# Altium PCB OpenPLCv0.2.0.PcbDoc (part 2 of 6)
Units mm, origin at the board's own origin, x right, y up, seen from the top; angles counter-clockwise.
Board outline 180 x 120 mm, 4 copper layers (Top Copper, Int1 Copper (GND), Int2 Copper (GND), Bottom Copper), stack 1.57 mm thick; 541 components, 405 nets, 1586 pads, 1395 vias.
Unrouted connection lines stored in the file: 4.
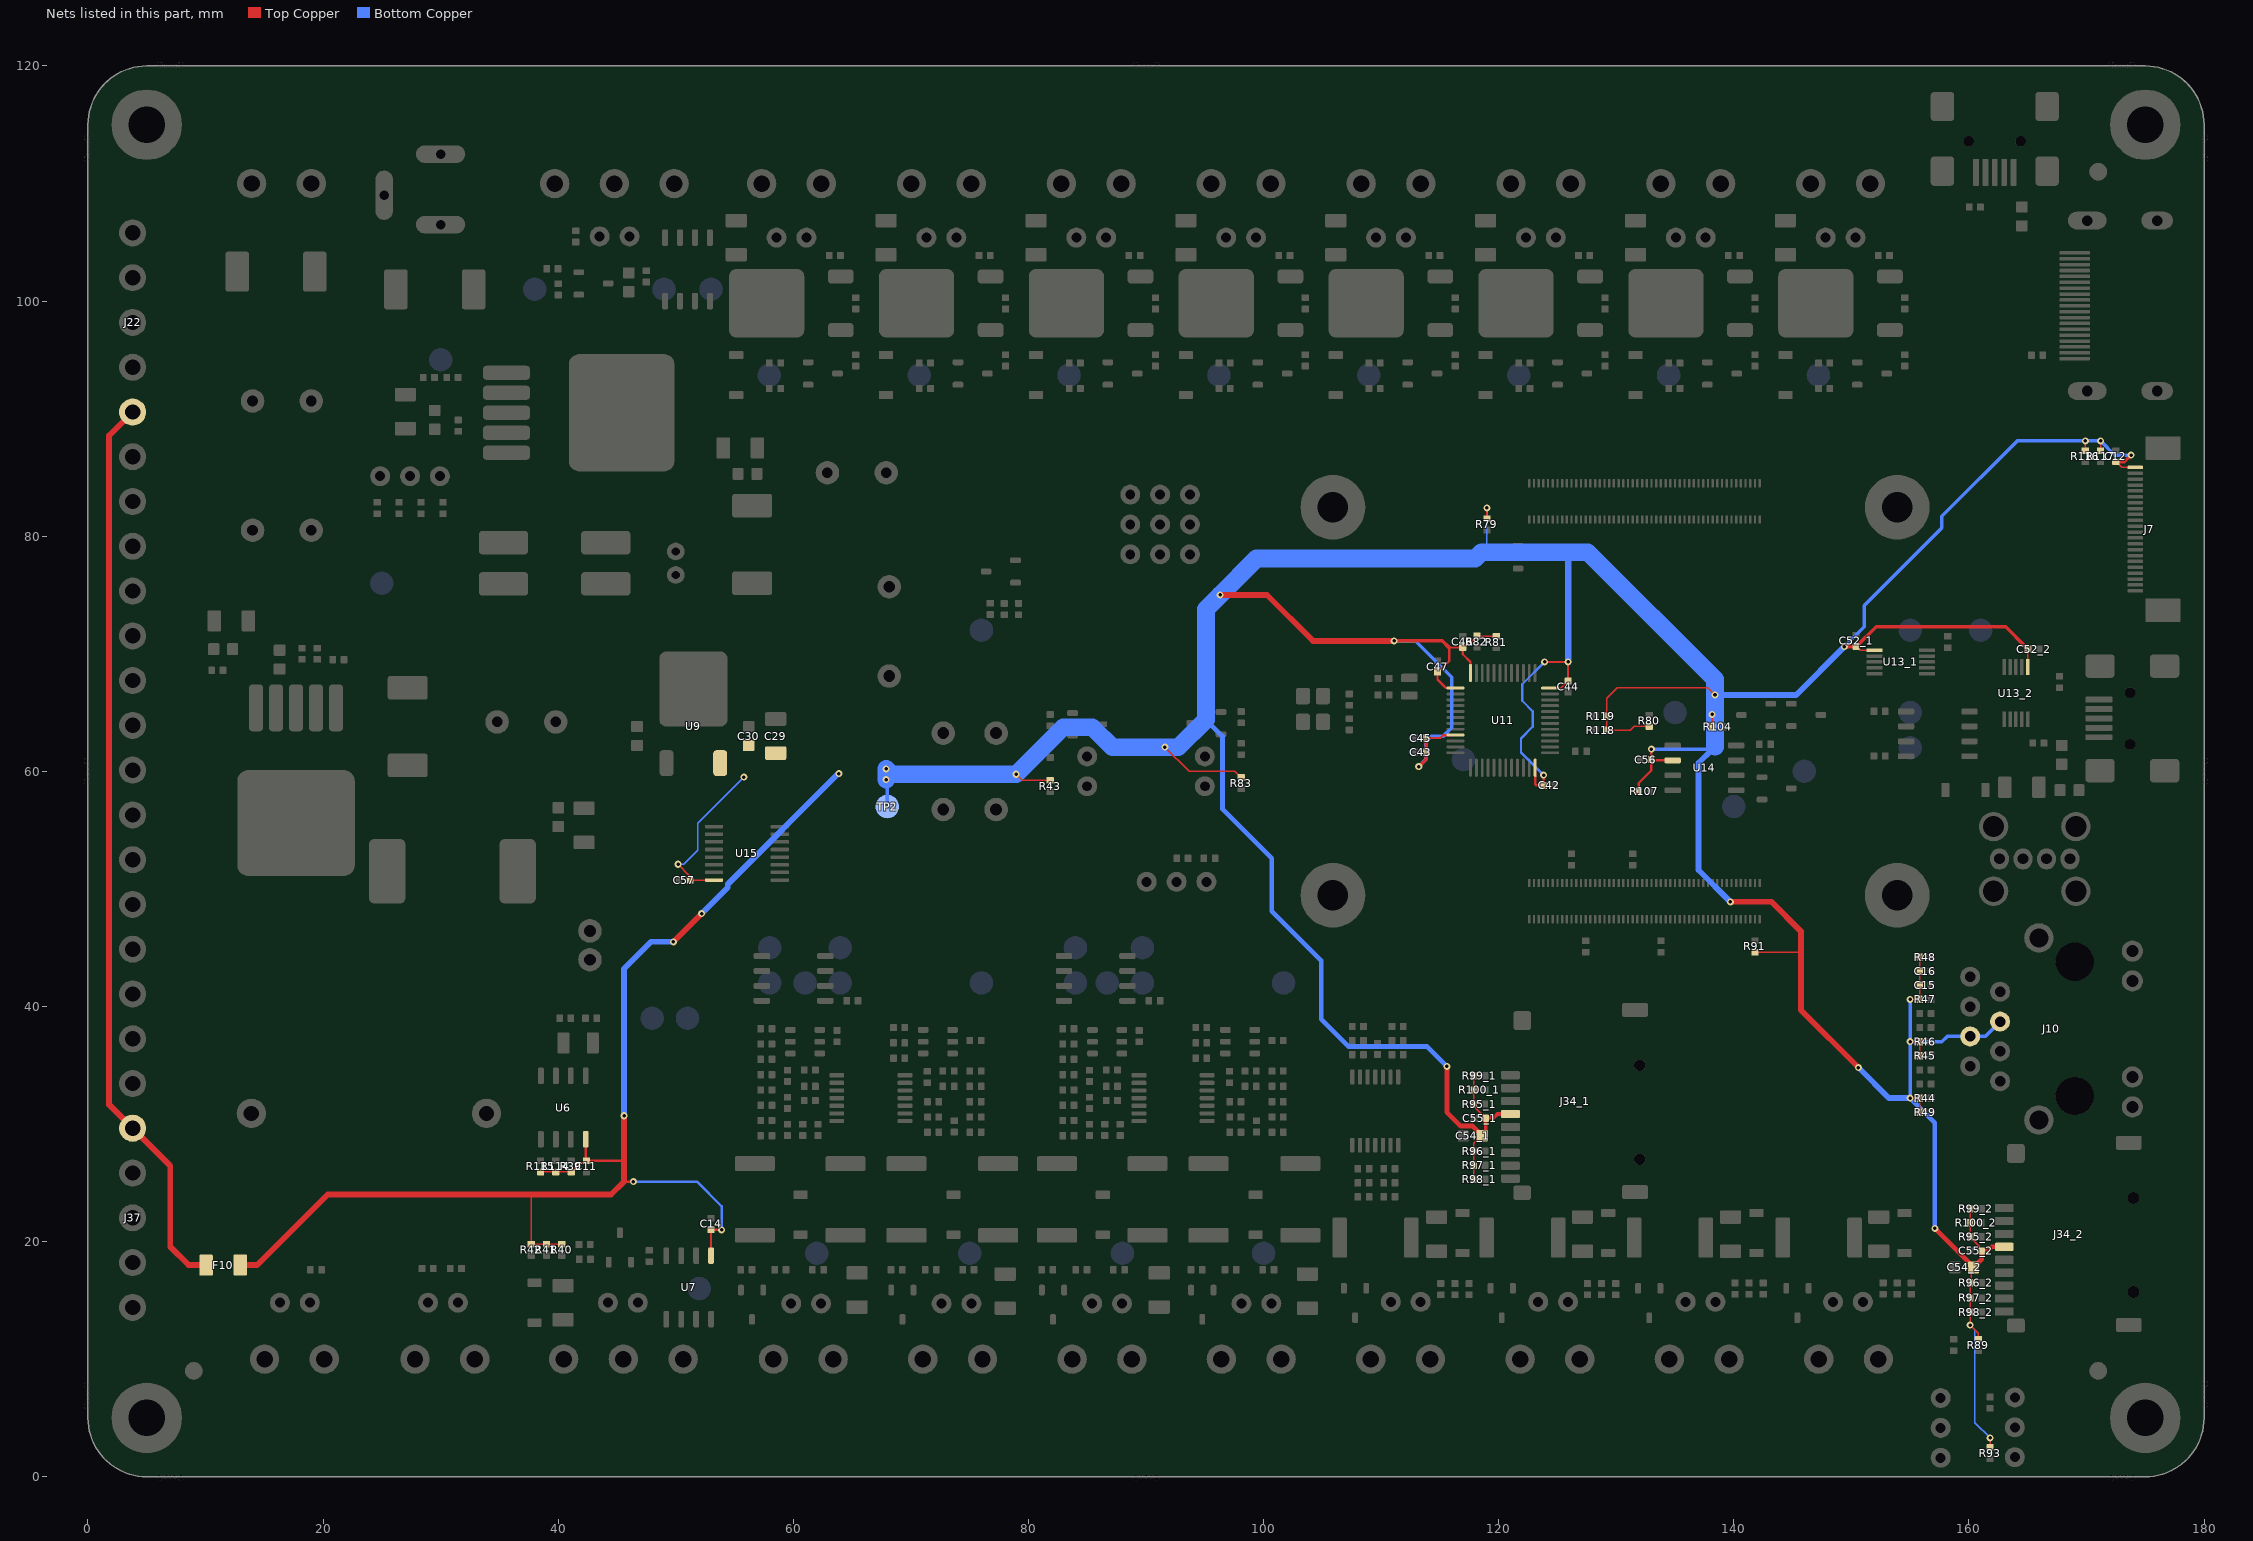
[diagram p4: the nets of this part, all layers, seen from the top]

## Components (designator, comment, footprint, x,y, rotation, side; value= is the part's Value field where it differs from the comment) (continued)
R27 "RC0402FR-0722KL" SMD_RES_0402(1005)_N 108.02,37.1 r0 top
R28 "RC0402FR-0747KL" SMD_RES_0402(1005)_N 108.02,35.9 r0 top
R29 "AC2512FK-07470RL" SMD_RES_2512(6432)_N 122.024,20.332 r0 top
R30 "RC0402FR-0710KL" SMD_RES_0402(1005)_N 108.02,38.3 r0 top
R31 "RC0402FR-0722KL" SMD_RES_0402(1005)_N 110.7,25 r180 top
R32 "RC0402FR-0747KL" SMD_RES_0402(1005)_N 110.7,26.2 r180 top
R33 "AC2512FK-07470RL" SMD_RES_2512(6432)_N 134.574,20.332 r0 top
R34 "RC0402FR-0710KL" SMD_RES_0402(1005)_N 110.7,23.8 r180 top
R35 "RC0402FR-0722KL" SMD_RES_0402(1005)_N 108.5,25 r0 top
R36 "RC0402FR-0747KL" SMD_RES_0402(1005)_N 108.5,26.2 r0 top
R37 "AC2512FK-07470RL" SMD_RES_2512(6432)_N 147.224,20.332 r0 top
R38 "RC0402FR-0710KL" SMD_RES_0402(1005)_N 108.5,23.8 r0 top
R39 "RC0402FR-0710KL" SMD_RES_0402(1005)_N 41.1,26.4 r90 top
R40 "RC0402FR-074K7L" SMD_RES_0402(1005)_N 40.3,19.3 r90 top
R41 "RC0402FR-074K7L" SMD_RES_0402(1005)_N 39,19.3 r90 top
R42 "RC0402FR-074K7L" SMD_RES_0402(1005)_N 37.7,19.3 r90 top
R43 "RC0402FR-07470RL" SMD_RES_0402(1005)_N 81.85,58.75 r270 top
R44 "RC0402FR-0749R9L" SMD_RES_0402(1005)_N 156.3,32.2 r180 top
R45 "RC0402FR-0749R9L" SMD_RES_0402(1005)_N 156.3,35.8 r180 top
R46 "RC0402FR-0749R9L" SMD_RES_0402(1005)_N 156.3,37 r180 top
R47 "RC0402FR-0749R9L" SMD_RES_0402(1005)_N 156.3,40.6 r180 top
R48 "RC0402FR-07470RL" SMD_RES_0402(1005)_N 156.3,44.2 r180 top
R49 "RC0402FR-07470RL" SMD_RES_0402(1005)_N 156.3,31 r180 top
R50 "RC0402FR-070RL" SMD_RES_0402(1005)_N 156.3,33.4 r0 top
R51 "RC0402FR-070RL" SMD_RES_0402(1005)_N 156.3,34.6 r0 top
R52 "RC0402FR-070RL" SMD_RES_0402(1005)_N 156.3,38.2 r0 top
R53 "RC0402FR-070RL" SMD_RES_0402(1005)_N 156.3,39.4 r0 top
R54 "RC0402FR-0710KL" SMD_RES_0402(1005)_N 19.5,70 r90 top
R55 "RC0402FR-073K3L" SMD_RES_0402(1005)_N 21.3,69.5 r180 top
R56 "RC0402FR-0710KL" SMD_RES_0402(1005)_N 19.4,17.6 r0 top
R57 "RC0402FR-07470RL" SMD_RES_0402(1005)_N 31.3,17.7 r0 top
R58 "RC0402FR-07470RL" SMD_RES_0402(1005)_N 95.4,52.6 r0 top
R59 "RC0402FR-07470RL" SMD_RES_0402(1005)_N 28.9,17.7 r0 top
R60 "RC0402FR-0724KL" SMD_RES_0402(1005)_N 30.2,82.4 r270 top
R61 "RC0402FR-0749K9L" SMD_RES_0402(1005)_N 24.6,82.4 r270 top
R62 "RC0402FR-0710KL" SMD_RES_0402(1005)_N 29,93.5 r0 top
R63 "RC0402FR-072K74L" SMD_RES_0402(1005)_N 26.467,82.4 r90 top
R64 "RC0402FR-07470RL" SMD_RES_0402(1005)_N 93.1,52.6 r0 top
R65_1 "RC0402FR-07100KL" SMD_RES_0402(1005)_N 65.303,99.807 r90 top (schematic designator R65)
R65_2 "RC0402FR-07100KL" SMD_RES_0402(1005)_N 78.052,99.807 r90 top (schematic designator R65)
R65_3 "RC0402FR-07100KL" SMD_RES_0402(1005)_N 90.801,99.807 r90 top (schematic designator R65)
R65_4 "RC0402FR-07100KL" SMD_RES_0402(1005)_N 103.55,99.807 r90 top (schematic designator R65)
R65_5 "RC0402FR-07100KL" SMD_RES_0402(1005)_N 116.299,99.807 r90 top (schematic designator R65)
R65_6 "RC0402FR-07100KL" SMD_RES_0402(1005)_N 129.048,99.807 r90 top (schematic designator R65)
R65_7 "RC0402FR-07100KL" SMD_RES_0402(1005)_N 141.797,99.807 r90 top (schematic designator R65)
R65_8 "RC0402FR-07100KL" SMD_RES_0402(1005)_N 154.546,99.807 r90 top (schematic designator R65)
R66_1 "RC0402FR-0710KL" SMD_RES_0402(1005)_N 63.525,103.871 r180 top (schematic designator R66)
R66_2 "RC0402FR-0710KL" SMD_RES_0402(1005)_N 76.274,103.871 r180 top (schematic designator R66)
R66_3 "RC0402FR-0710KL" SMD_RES_0402(1005)_N 89.023,103.871 r180 top (schematic designator R66)
R66_4 "RC0402FR-0710KL" SMD_RES_0402(1005)_N 101.772,103.871 r180 top (schematic designator R66)
R66_5 "RC0402FR-0710KL" SMD_RES_0402(1005)_N 114.521,103.871 r180 top (schematic designator R66)
R66_6 "RC0402FR-0710KL" SMD_RES_0402(1005)_N 127.27,103.871 r180 top (schematic designator R66)
R66_7 "RC0402FR-0710KL" SMD_RES_0402(1005)_N 140.019,103.871 r180 top (schematic designator R66)
R66_8 "RC0402FR-0710KL" SMD_RES_0402(1005)_N 152.768,103.871 r180 top (schematic designator R66)
R67_1 "RC0402FR-07470RL" SMD_RES_0402(1005)_N 65.303,94.953 r90 top (schematic designator R67)
R67_2 "RC0402FR-07470RL" SMD_RES_0402(1005)_N 78.052,94.953 r90 top (schematic designator R67)
R67_3 "RC0402FR-07470RL" SMD_RES_0402(1005)_N 90.801,94.953 r90 top (schematic designator R67)
R67_4 "RC0402FR-07470RL" SMD_RES_0402(1005)_N 103.55,94.953 r90 top (schematic designator R67)
R67_5 "RC0402FR-07470RL" SMD_RES_0402(1005)_N 116.299,94.953 r90 top (schematic designator R67)
R67_6 "RC0402FR-07470RL" SMD_RES_0402(1005)_N 129.048,94.953 r90 top (schematic designator R67)
R67_7 "RC0402FR-07470RL" SMD_RES_0402(1005)_N 141.797,94.953 r90 top (schematic designator R67)
R67_8 "RC0402FR-07470RL" SMD_RES_0402(1005)_N 154.546,94.953 r90 top (schematic designator R67)
R68_1 "RC0402FR-0710KL" SMD_RES_0402(1005)_N 58.445,94.727 r180 top (schematic designator R68)
R68_2 "RC0402FR-0710KL" SMD_RES_0402(1005)_N 71.194,94.727 r180 top (schematic designator R68)
R68_3 "RC0402FR-0710KL" SMD_RES_0402(1005)_N 83.943,94.727 r180 top (schematic designator R68)
R68_4 "RC0402FR-0710KL" SMD_RES_0402(1005)_N 96.692,94.727 r180 top (schematic designator R68)
R68_5 "RC0402FR-0710KL" SMD_RES_0402(1005)_N 109.441,94.727 r180 top (schematic designator R68)
R68_6 "RC0402FR-0710KL" SMD_RES_0402(1005)_N 122.19,94.727 r180 top (schematic designator R68)
R68_7 "RC0402FR-0710KL" SMD_RES_0402(1005)_N 134.939,94.727 r180 top (schematic designator R68)
R68_8 "RC0402FR-0710KL" SMD_RES_0402(1005)_N 147.688,94.727 r180 top (schematic designator R68)
R69_1 "RC0402FR-07100KL" SMD_RES_0402(1005)_N 58.445,92.568 r0 top (schematic designator R69)
R69_2 "RC0402FR-07100KL" SMD_RES_0402(1005)_N 71.194,92.568 r0 top (schematic designator R69)
R69_3 "RC0402FR-07100KL" SMD_RES_0402(1005)_N 83.943,92.568 r0 top (schematic designator R69)
R69_4 "RC0402FR-07100KL" SMD_RES_0402(1005)_N 96.692,92.568 r0 top (schematic designator R69)
R69_5 "RC0402FR-07100KL" SMD_RES_0402(1005)_N 109.441,92.568 r0 top (schematic designator R69)
R69_6 "RC0402FR-07100KL" SMD_RES_0402(1005)_N 122.19,92.568 r0 top (schematic designator R69)
R69_7 "RC0402FR-07100KL" SMD_RES_0402(1005)_N 134.939,92.568 r0 top (schematic designator R69)
R69_8 "RC0402FR-07100KL" SMD_RES_0402(1005)_N 147.688,92.568 r0 top (schematic designator R69)
R70 "RC0402FR-07470RL" SMD_RES_0402(1005)_N 81.85,64.35 r90 top
R71 "RC0402FR-0710KL" SMD_RES_0402(1005)_N 81.85,61.65 r90 top
R72 "RC0402FR-07470RL" SMD_RES_0402(1005)_N 47.75,18.77 r90 top
R73 "RC0402FR-07470RL" SMD_RES_0402(1005)_N 31,93.5 r0 top
R74 "RC0402FR-07470RL" SMD_RES_0402(1005)_N 42.25,19.75 r180 top
R75 "RC0402FR-0710KL" SMD_RES_0402(1005)_N 42.27,18.5 r0 top
R76 "RC0402FR-07470RL" SMD_RES_0402(1005)_N 41.5,105.5 r270 top
R77 "RC0402FR-07470RL" SMD_RES_0402(1005)_N 39.5,102.75 r180 top
R78 "RC0402FR-0710KL" SMD_RES_0402(1005)_N 40,101 r90 top
R79 "RC0402FR-0710KL" SMD_RES_0402(1005)_N 119,81 r270 top
R80 "RC0402FR-0710KL" SMD_RES_0402(1005)_N 132.8,64.3 r270 top
R81 "RC0402FR-0710KL" SMD_RES_0402(1005)_N 119.8,71 r90 top
R82 "RC0402FR-0710KL" SMD_RES_0402(1005)_N 118.15,71.03 r90 top
R83 "RC0402FR-07470RL" SMD_RES_0402(1005)_N 98.1,59 r270 top
R84 "RC0402FR-07470RL" SMD_RES_0402(1005)_N 98.1,61.9 r270 top
R85 "RC0402FR-0710KL" SMD_RES_0402(1005)_N 98.1,64.6 r270 top
R86_1 "RC0402FR-07470RL" SMD_RES_0402(1005)_N 62.1,17.6 r180 top (schematic designator R86)
R86_2 "RC0402FR-07470RL" SMD_RES_0402(1005)_N 74.89,17.6 r180 top (schematic designator R86)
R86_3 "RC0402FR-07470RL" SMD_RES_0402(1005)_N 100.4,17.6 r180 top (schematic designator R86)
R86_4 "RC0402FR-07470RL" SMD_RES_0402(1005)_N 87.7,17.6 r180 top (schematic designator R86)
R86_5 "RC0402FR-07470RL" SMD_RES_0402(1005)_N 115.08,15.95 r270 top (schematic designator R86)
R86_6 "RC0402FR-07470RL" SMD_RES_0402(1005)_N 127.55,15.95 r270 top (schematic designator R86)
R86_7 "RC0402FR-07470RL" SMD_RES_0402(1005)_N 140.1,16 r270 top (schematic designator R86)
R86_8 "RC0402FR-07470RL" SMD_RES_0402(1005)_N 152.7,16 r270 top (schematic designator R86)
R87_1 "RC0402FR-07470RL" SMD_RES_0402(1005)_N 58.9,17.6 r0 top (schematic designator R87)
R87_2 "RC0402FR-07470RL" SMD_RES_0402(1005)_N 71.69,17.6 r0 top (schematic designator R87)
R87_3 "RC0402FR-07470RL" SMD_RES_0402(1005)_N 97.2,17.6 r0 top (schematic designator R87)
R87_4 "RC0402FR-07470RL" SMD_RES_0402(1005)_N 84.5,17.6 r0 top (schematic designator R87)
R87_5 "RC0402FR-07470RL" SMD_RES_0402(1005)_N 116.28,15.95 r270 top (schematic designator R87)
R87_6 "RC0402FR-07470RL" SMD_RES_0402(1005)_N 128.75,15.95 r270 top (schematic designator R87)
R87_7 "RC0402FR-07470RL" SMD_RES_0402(1005)_N 141.3,16 r270 top (schematic designator R87)
R87_8 "RC0402FR-07470RL" SMD_RES_0402(1005)_N 153.9,16 r270 top (schematic designator R87)
R88_1 "RC0402FR-0710KL" SMD_RES_0402(1005)_N 56,17.6 r0 top (schematic designator R88)
R88_2 "RC0402FR-0710KL" SMD_RES_0402(1005)_N 68.79,17.6 r0 top (schematic designator R88)
R88_3 "RC0402FR-0710KL" SMD_RES_0402(1005)_N 94.3,17.6 r0 top (schematic designator R88)
R88_4 "RC0402FR-0710KL" SMD_RES_0402(1005)_N 81.6,17.6 r0 top (schematic designator R88)
R88_5 "RC0402FR-0710KL" SMD_RES_0402(1005)_N 117.48,15.95 r90 top (schematic designator R88)
R88_6 "RC0402FR-0710KL" SMD_RES_0402(1005)_N 129.95,15.95 r90 top (schematic designator R88)
R88_7 "RC0402FR-0710KL" SMD_RES_0402(1005)_N 142.5,16 r90 top (schematic designator R88)
R88_8 "RC0402FR-0710KL" SMD_RES_0402(1005)_N 155.1,16 r90 top (schematic designator R88)
R89 "RC0402FR-0710KL" SMD_RES_0402(1005)_N 160.8,11.2 r90 top
R90 "RC0402FR-070RL" SMD_RES_0402(1005)_N 126.2,52.5 r270 top
R91 "RC0402FR-070RL" SMD_RES_0402(1005)_N 141.8,45.1 r90 top
R92 "RC0402FR-0710KL" SMD_RES_0402(1005)_N 158.7,11.2 r270 top
R93 "RC0402FR-0710KL" SMD_RES_0402(1005)_N 161.8,2 r90 top
R94_1 "RC0402FR-0710KL" SMD_RES_0402(1005)_N 158.2,71 r270 top (schematic designator R94)
R94_2 "RC0402FR-0710KL" SMD_RES_0402(1005)_N 165.9,62.4 r180 top (schematic designator R94)
R95_1 "RC0402FR-0710KL" SMD_RES_0402(1005)_N 118.33,31.7 r180 top (schematic designator R95)
R95_2 "RC0402FR-0710KL" SMD_RES_0402(1005)_N 160.58,20.4 r180 top (schematic designator R95)
R96_1 "RC0402FR-0710KL" SMD_RES_0402(1005)_N 118.35,27.7 r180 top (schematic designator R96)
R96_2 "RC0402FR-0710KL" SMD_RES_0402(1005)_N 160.6,16.5 r180 top (schematic designator R96)
R97_1 "RC0402FR-0710KL" SMD_RES_0402(1005)_N 118.35,26.5 r180 top (schematic designator R97)
R97_2 "RC0402FR-0710KL" SMD_RES_0402(1005)_N 160.6,15.2 r180 top (schematic designator R97)
R98_1 "RC0402FR-0710KL" SMD_RES_0402(1005)_N 118.35,25.3 r180 top (schematic designator R98)
R98_2 "RC0402FR-0710KL" SMD_RES_0402(1005)_N 160.6,14 r180 top (schematic designator R98)
R99_1 "RC0402FR-0710KL" SMD_RES_0402(1005)_N 118.35,34.1 r180 top (schematic designator R99)
R99_2 "RC0402FR-0710KL" SMD_RES_0402(1005)_N 160.6,22.8 r180 top (schematic designator R99)
R100_1 "RC0402FR-0710KL" SMD_RES_0402(1005)_N 118.35,32.9 r180 top (schematic designator R100)
R100_2 "RC0402FR-0710KL" SMD_RES_0402(1005)_N 160.58,21.6 r180 top (schematic designator R100)
R101 "RC0402FR-07100KL" SMD_RES_0402(1005)_N 76.75,73.82 r270 top
R102 "RC0402FR-07470RL" SMD_RES_0402(1005)_N 77.95,73.8 r90 top
R103 "RC0402FR-0710KL" SMD_RES_0402(1005)_N 79.15,73.8 r90 top
R104 "RC0402FR-0710KL" SMD_RES_0402(1005)_N 138.63,63.797 r180 top
R105 "RC0402FR-07470RL" SMD_RES_0402(1005)_N 142.65,62.297 r0 top
R106 "RC0402FR-0710KL" SMD_RES_0402(1005)_N 142.65,61.047 r180 top
R107 "RC0402FR-0710KL" SMD_RES_0402(1005)_N 132.4,58.297 r180 top
R108_1 "RC0402FR-0710KL" SMD_RES_0402(1005)_N 167.7,67.6 r270 top (schematic designator R108)
R108_2 "RC0402FR-0710KL" SMD_RES_0402(1005)_N 160.5,108 r0 top (schematic designator R108)
R109 "RC0402FR-0710KL" SMD_RES_0402(1005)_N 161.8,6.3 r90 top
R110_1 "RC0402FR-0710KL" SMD_RES_0402(1005)_N 61.4,33.2 r0 top (schematic designator R110)
R110_2 "RC0402FR-0710KL" SMD_RES_0402(1005)_N 87.1,33.2 r0 top (schematic designator R110)
R111_1 "RC0402FR-0710KL" SMD_RES_0402(1005)_N 71.9,30.6 r180 top (schematic designator R111)
R111_2 "RC0402FR-0710KL" SMD_RES_0402(1005)_N 97.6,30.6 r180 top (schematic designator R111)
R112_1 "RC0402FR-0722KL" SMD_RES_0402(1005)_N 69,38.2 r0 top (schematic designator R112)
R112_2 "RC0402FR-0722KL" SMD_RES_0402(1005)_N 94.7,38.2 r0 top (schematic designator R112)
R113_1 "RC0402FR-0722KL" SMD_RES_0402(1005)_N 69,36.9 r0 top (schematic designator R113)
R113_2 "RC0402FR-0722KL" SMD_RES_0402(1005)_N 94.7,36.9 r0 top (schematic designator R113)
R114 "RC0402FR-0710KL" SMD_RES_0402(1005)_N 39.8,26.4 r270 top
R115 "RC0402FR-0710KL" SMD_RES_0402(1005)_N 38.5,26.4 r270 top
R116 "RC0402FR-0710KL" SMD_RES_0402(1005)_N 169.9,86.8 r90 top
R117 "RC0402FR-0710KL" SMD_RES_0402(1005)_N 171.2,86.8 r90 top
R118 "RC0402FR-0710KL" SMD_RES_0402(1005)_N 128.7,63.5 r0 top
R119 "RC0402FR-0710KL" SMD_RES_0402(1005)_N 128.7,64.7 r0 top
R120_1 "RC0402FR-0749R9L" SMD_RES_0402(1005)_N 133.8,45.1 r90 top (schematic designator R120)
R120_2 "RC0402FR-0749R9L" SMD_RES_0402(1005)_N 131.4,52.5 r270 top (schematic designator R120)
R121 "RC0402FR-0749R9L" SMD_RES_0402(1005)_N 127.4,45.1 r270 top
R122 "RC0402FR-0749R9L" SMD_RES_0402(1005)_N 127,61.7 r0 top
SW1 "K2-1102DP-O4SW-04" K2-1102DP-O4SW-04 75,60 r270 top
TP1 "TestPoint" PAD#1 25,76 r180 bottom
TP2 "TestPoint" PAD#1 68,57 r180 bottom
TP3 "TestPoint" PAD#1 30,95 r180 bottom
TP4_1 "TestPoint" PAD#1 61,42 r180 bottom (schematic designator TP4)
TP4_2 "TestPoint" PAD#1 86.7,42 r180 bottom (schematic designator TP4)
TP5_1 "TestPoint" PAD#1 76,42 r180 bottom (schematic designator TP5)
TP5_2 "TestPoint" PAD#1 101.7,42 r180 bottom (schematic designator TP5)
TP6_1 "TestPoint" PAD#1 64,42 r180 bottom (schematic designator TP6)
TP6_2 "TestPoint" PAD#1 89.7,42 r180 bottom (schematic designator TP6)
TP7 "TestPoint" PAD#1 58,45 r180 bottom
TP8 "TestPoint" PAD#1 84,42 r180 bottom
TP9 "TestPoint" PAD#1 58,42 r180 bottom
TP11_1 "TestPoint" PAD#1 64,45 r180 bottom (schematic designator TP11)
TP11_2 "TestPoint" PAD#1 89.7,45 r180 bottom (schematic designator TP11)
TP13 "TestPoint" PAD#1 62,19 r180 bottom
TP14 "TestPoint" PAD#1 75,19 r180 bottom
TP15 "TestPoint" PAD#1 100,19 r180 bottom
TP16 "TestPoint" PAD#1 88,19 r180 bottom
TP19 "TestPoint" PAD#1 52,16 r180 bottom
TP21 "TestPoint" PAD#1 84,45 r180 bottom
TP22_1 "TestPoint" PAD#1 57.959,93.702 r180 bottom (schematic designator TP22)
TP22_2 "TestPoint" PAD#1 70.708,93.702 r180 bottom (schematic designator TP22)
TP22_3 "TestPoint" PAD#1 83.457,93.702 r180 bottom (schematic designator TP22)
TP22_4 "TestPoint" PAD#1 96.206,93.702 r180 bottom (schematic designator TP22)
TP22_5 "TestPoint" PAD#1 108.955,93.702 r180 bottom (schematic designator TP22)
TP22_6 "TestPoint" PAD#1 121.704,93.702 r180 bottom (schematic designator TP22)
TP22_7 "TestPoint" PAD#1 134.453,93.702 r180 bottom (schematic designator TP22)
TP22_8 "TestPoint" PAD#1 147.202,93.702 r180 bottom (schematic designator TP22)
TP25 "TestPoint" PAD#1 117,61 r180 bottom
TP26 "TestPoint" PAD#1 146,60 r180 bottom
TP27 "TestPoint" PAD#1 155,65 r180 bottom
TP28 "TestPoint" PAD#1 155,62 r180 bottom
TP35_1 "TestPoint" PAD#1 161,72 r180 bottom (schematic designator TP35)
TP35_2 "TestPoint" PAD#1 155,72 r180 bottom (schematic designator TP35)
TP42 "TestPoint" PAD#1 76,72 r180 bottom
TP44 "TestPoint" PAD#1 140,57 r180 bottom
TP45 "TestPoint" PAD#1 135,65 r180 bottom
TP46 "TestPoint" PAD#1 51,39 r180 bottom
TP47 "TestPoint" PAD#1 48,39 r180 bottom
TP48 "TestPoint" PAD#2 52,103 r180 bottom
TP49 "TestPoint" PAD#3 38,103 r180 bottom
TP50 "TestPoint" PAD#1 49,101 r180 bottom
U1_1 "LM324DTBR2G" TSSOP-14 66.6,32.2 r0 top (schematic designator U1)
U1_2 "LM324DTBR2G" TSSOP-14 92.3,32.2 r0 top (schematic designator U1)
U2_1 "WAS3157B" SOT23-6 61,37 r0 top (schematic designator U2)
U2_2 "WAS3157B" SOT23-6 86.7,37 r0 top (schematic designator U2)
U3_1 "WAS3157B" SOT23-6 72.3,37 r0 top (schematic designator U3)
U3_2 "WAS3157B" SOT23-6 98,37 r0 top (schematic designator U3)
U4_1 "TM8211" SOIC-8-3.9MM 60.024,42.382 r0 top (schematic designator U4)
U4_2 "TM8211" SOIC-8-3.9MM 85.724,42.382 r0 top (schematic designator U4)
U5 "LM324DTBR2G" TSSOP-14 109.5,31.1 r270 top
U6 "DS1307ZM" SOIC-8-3.9MM 40.435,31.4 r270 top
U7 "DS2482-100" SOIC-8-3.9MM 51.1,16.1 r270 top
U8 "XL4015" TO-263-5 17.7,60.5 r180 top
U9 "AP7361-33D-13" TO-252 51.5,67 r0 top
U10 "XL6019" TO-263-5 40.5,90.5 r270 top
U11 "STM32F103C8T6" LQFP32_7X7 120.35,64.33 r0 top
U12 "CH330N" SOIC-8-3.9MM 157.35,63.185 r180 top
U13_1 "FSUSB42MUX" MSOP-10 154.2,69.3 r0 top (schematic designator U13)
U13_2 "FSUSB42MUX" MSOP-10 164,66.65 r270 top (schematic designator U13)
U14 "VP706PESA/T" SOIC-8-3.9MM 137.5,60.297 r0 top
U15 "HT8574ARWZ" TSSOP-16 56.05,53.025 r180 top
U16 "BL3085A" SOIC-8-3.9MM 51,102.7 r90 top
X1 "7LC32768F12UC" CRYSTAL_3215 41.7,36.9 r180 top
X2 "7B008000F01" CRYSTAL_3225 104.2,65.3 r270 top
X3 "TJXM32768K2TGDCNT2T" CRYSTAL_2012 112.4,67.2 r270 top

## Footprints (in the part's own frame and the unit in brackets; to place one, negate y for a bottom-side part, rotate by r counter-clockwise, add the part's x,y. Pads: shape width x height; smd on the part's side, far side on the other; paste and mask are expansions set on the pad)
3MM_LED_SPACER_6.4MM [mm]
  body extent -2,-2 2,2, height 6.4
920-462A2021S10100 [mm] "USB - Mini B Female USB 2 5 SMD USB Connectors RoHS"
  rrect30% 2.3x0.5 smd: 1(7.85,1.6) 2(7.85,0.8) 3(7.85,0) 4(7.85,-0.8) 5(7.85,-1.6)
  rrect30% 2.5x2 smd: 6(2.25,4.45) 7(7.75,4.45) 8(7.75,-4.45) 9(2.25,-4.45)
  round 0.9 hole 0.9 unplated: NC(5.2,-2.2) NC(5.2,2.2)
  silkscreen extent 9.1,2.4 9.5,2.8, body extent -0.7,-4.95 8.5,4.95, height 4.14
796638-2_BoardEdgeAlt [mm] "2POS 5.08MM CE R/A HDR,TRM BLK"
  round 2.5 hole 1.4: 1(0,0) 2(0,-5.08)
  silkscreen extent -2.03,-8.89 9.14,3.3, body extent -2,-8.78 10,3.2, height 8.4
796638-3_BoardEdgeAlt [mm] "3POS 5.08MM CE R/A HDR,TRM BLK"
  round 2.5 hole 1.4: 1(0,0) 2(0,-5.08) 3(0,-10.16)
  silkscreen extent -2.03,-13.81 9.16,3.3, body extent -2,-13.81 10,3.25, height 8.4
"B2B-XH-A (LF)(SN)" [mm]
  round 2 hole 1: 1(1.225,0) 2(-1.225,0)
  silkscreen extent -3.75,-2.3 3.75,3.6, body extent -3.75,-2.3 3.75,3.6, height 7
BS-2-1 [mm]
  round 2.5 hole 1.3: 1(0,-10) 2(0,10)
  silkscreen extent -11.05,-11.3 11.05,14.05, body extent -11.05,-11.3 11.05,14.05, height 8.7
C26235 [mm] "USB - Type A Female USB 2 4 Through Hole USB Connectors RoHS"
  oval 1.6x1.8 hole 0.9: 1(-3,0) 2(-1,0) 3(1,0) 4(3,0)
  round 2.5 hole 1.8: 5(-3.5,2.75) 6(3.5,2.75) 7(3.5,-2.75) 8(-3.5,-2.75)
  body extent -15.35,-3.59 3.95,3.5, height 14.75
CRYSTAL_2012 [mm]
  rrect30% 0.7x1.4 smd: 1(-0.75,0) 2(0.75,0)
  silkscreen extent -1.4,-1.1 -1.2,-0.9, body extent -1,-0.6 1,0.6, height 0.6
CRYSTAL_3215 [mm]
  rrect20% 1x1.8 smd: 1(-1.25,0) 2(1.25,0)
  silkscreen extent -0.38,-0.8 0.38,0.8, body extent -1.6,-0.75 1.6,0.75, height 0.85
CRYSTAL_3225 [mm]
  rrect30% 1.4x1.2 smd: 1(-1.1,-0.85) 2(1.1,-0.85) 3(1.1,0.85) 4(-1.1,0.85)
  silkscreen extent -2.2,-1.8 -2,-1.6, body extent -1.6,-1.25 1.6,1.25, height 0.85
"DC-005 5.5-2.0MM" [mm] "Through Hole AC/DC Power Plugs & Receptacles RoHS"
  oval 1.5x4.2 hole 0.8 slot 3.5 at 90 deg: 2(4.8,-2.5)
  oval 4.2x1.5 hole 0.8 slot 3.5 at 0 deg: 3(0,-6) 4(0,0)
  body extent -4.5,-13.5 4.8,0.4, height 11
DF40HC(3.0)-100DS-0.4V(51 [mm]
  rrect50% 0.7x0.2 smd: 1(-1.54,9.8) 2(1.54,9.8) 3(-1.54,9.4) 4(1.54,9.4) 5(-1.54,9) 6(1.54,9) 7(-1.54,8.6) 8(1.54,8.6) 9(-1.54,8.2) 10(1.54,8.2) 11(-1.54,7.8) 12(1.54,7.8) 13(-1.54,7.4) 14(1.54,7.4) 15(-1.54,7) 16(1.54,7) 17(-1.54,6.6) 18(1.54,6.6) 19(-1.54,6.2) 20(1.54,6.2) 21(-1.54,5.8) 22(1.54,5.8) 23(-1.54,5.4) 24(1.54,5.4) 25(-1.54,5) 26(1.54,5) 27(-1.54,4.6) 28(1.54,4.6) 29(-1.54,4.2) 30(1.54,4.2) 31(-1.54,3.8) 32(1.54,3.8) 33(-1.54,3.4) 34(1.54,3.4) 35(-1.54,3) 36(1.54,3) 37(-1.54,2.6) 38(1.54,2.6) 39(-1.54,2.2) 40(1.54,2.2) 41(-1.54,1.8) 42(1.54,1.8) 43(-1.54,1.4) 44(1.54,1.4) 45(-1.54,1) 46(1.54,1) 47(-1.54,0.6) 48(1.54,0.6) 49(-1.54,0.2) 50(1.54,0.2) 51(-1.54,-0.2) 52(1.54,-0.2) 53(-1.54,-0.6) 54(1.54,-0.6) 55(-1.54,-1) 56(1.54,-1) 57(-1.54,-1.4) 58(1.54,-1.4) 59(-1.54,-1.8) 60(1.54,-1.8) 61(-1.54,-2.2) 62(1.54,-2.2) 63(-1.54,-2.6) 64(1.54,-2.6) 65(-1.54,-3) 66(1.54,-3) 67(-1.54,-3.4) 68(1.54,-3.4) 69(-1.54,-3.8) 70(1.54,-3.8) 71(-1.54,-4.2) 72(1.54,-4.2) 73(-1.54,-4.6) 74(1.54,-4.6) 75(-1.54,-5) 76(1.54,-5) 77(-1.54,-5.4) 78(1.54,-5.4) 79(-1.54,-5.8) 80(1.54,-5.8) 81(-1.54,-6.2) 82(1.54,-6.2) 83(-1.54,-6.6) 84(1.54,-6.6) 85(-1.54,-7) 86(1.54,-7) 87(-1.54,-7.4) 88(1.54,-7.4) 89(-1.54,-7.8) 90(1.54,-7.8) 91(-1.54,-8.2) 92(1.54,-8.2) 93(-1.54,-8.6) 94(1.54,-8.6) 95(-1.54,-9) 96(1.54,-9) 97(-1.54,-9.4) 98(1.54,-9.4) 99(-1.54,-9.8) 100(1.54,-9.8)